# Altium PCB Pleiades_Frouf.PcbDoc (part 4 of 12) (continued)
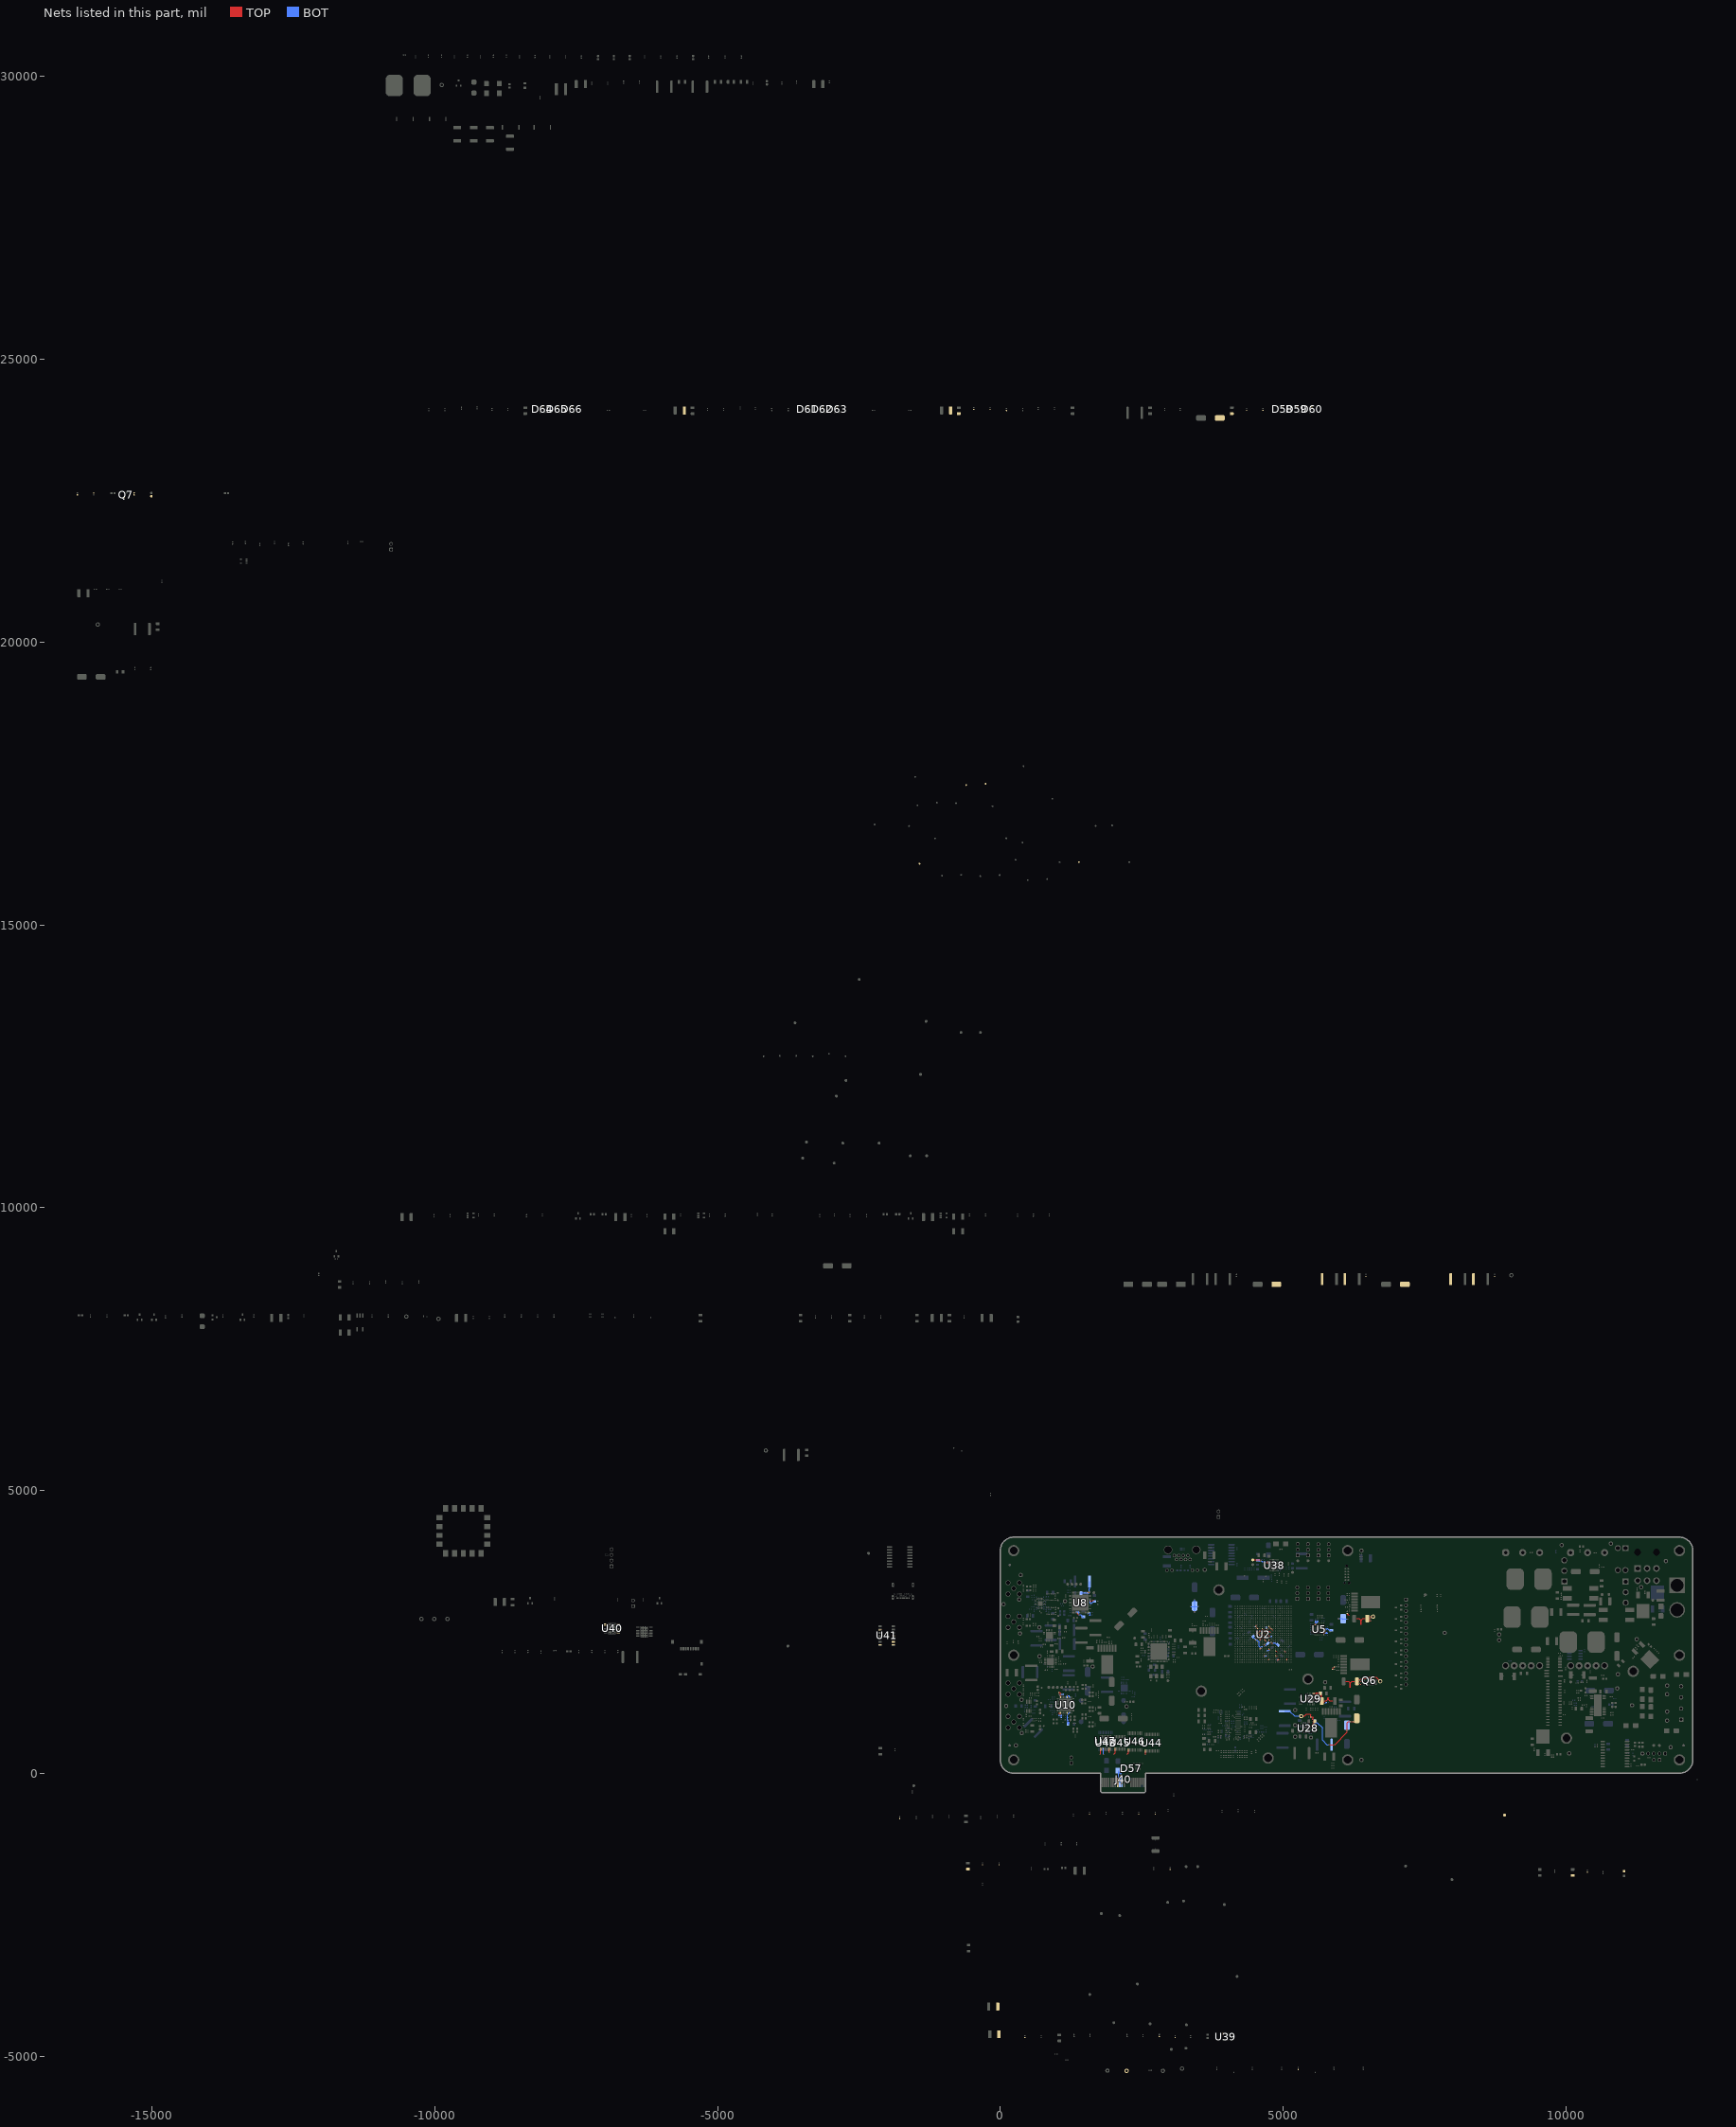
[diagram p14: the nets of this part, all layers, seen from the top]
## Part data (continued)
D14 D15 D16 D17: library part DIODE_SHOTTKEY, "Generic Shottkey Diode", Current=3A, Forward Voltage="500mV @ 3A", Mfr="Diodes Incorporated", Package / Case=SMB, Reverse Voltage=40V, Supplier Part Number 1=6160261, ComponentLink1Description=Digikey, ComponentLink1URL=https://www.digikey.ca/en/products/detail/diodes-incorporated/B340B-13-F/768869, ComponentLink2Description=Octopart, ComponentLink2URL=https://octopart.com/b340b-13-f-diodes+inc.-325817?r=sp, Diode Type=Schottky, Qualification=AEC-Q101, Supplier 1="Future Electronics"
D18 D20 D21 D23 D24 D41: library part LED_SML-311DTT86, "LED - 611nM ORANGE 2mA - 0603", Current=2mA, Mfg Part Number=SML-311DTT86, Package=0603, Power=44mW, Supplier Part Number 1=511-1303-1-ND, Temperature="-40°C to 85°C", Voltage=1.8V, CreatedBy="Jonathan Bouchard", HelpURL=http://media.digikey.com/pdf/Data%20Sheets/Rohm%20PDFs/SML-311%20Series.pdf, Mfg="ROHM Semiconductor", Supplier 1=Digikey
D35 D57: library part TVS_USB_TPD2E001DRLR, "TVS - USB TVS DIODE 5.5V - SOT-553", Manufacturer #1="Texas Instruments", Package=SOT-553, Supplier Part Number 1=296-21883-1-ND, Temperature="-40°C ~ 85°C (TA)", Voltage Rating="5.5V (Max)", Assembly Type=SMD, CreatedBy/Date="Jonathan Bouchard 2018-07-10", Cryo=UNKNOWN, GRAMS Lib Spec=2.8, HelpURL=http://www.ti.com/lit/ds/symlink/tpd2e001.pdf, Magnetic Material=YES, Part Number #1=TPD2E001DRLR, Polarized=YES, Supplier 1=Digi-Key, VerifiedBy="Arnaud Samson 16-07-18"
D37 DX3: library part TVS_PWR_SMBJ5.0CA, "TVS - BIDIR 5V 9.2V 600W - DO214AA", Current Rating="65.3 A (Ipp)", Manufacturer #1="Littelfuse Inc.", Package=DO214AA, Power Max="600W (Pppm)", Supplier Part Number 1=SMBJ5.0CALFCT-ND, Temperature="-65°C ~ 150°C (TJ)", Voltage Rating="5V Standoff", Assembly Type=SMD, CreatedBy/Date="Jonathan Bouchard - 2019-03-22", Cryo=UNKNOWN, GRAMS Lib Spec=2.8, HelpURL=http://www.littelfuse.com/~/media/electronics/datasheets/tvs_diodes/littelfuse_tvs_diode_smbj_datasheet.pdf.pdf, Magnetic Material=UNKNOWN, Part Number #1=SMBJ5.0CA, Polarized=NO, Supplier 1=Digi-Key, VerifiedBy="Nicolas V. (2019-05-06)"
D42 D43 DX2: library part DIODE_SHOTTKEY, "VS-15MQ040HM3/5AT", Current=1.5A, Forward Voltage="430mV @ 1.5A", Package / Case=SMA, Reverse Voltage=40V, ComponentLink1Description=Digikey, ComponentLink1URL=https://www.digikey.ca/en/products/detail/diodes-incorporated/B340B-13-F/768869, ComponentLink2Description=Octopart, ComponentLink2URL=https://octopart.com/b340b-13-f-diodes+inc.-325817?r=sp, Diode Type=Schottky, Qualification=AEC-Q101
D44 D56: library part TVS_DATA_TPD4E05U06, "TVS - TVS DIODE 5.5VWM 14VC - 10SON", Current Rating="2.5A (8/20µs)", Manufacturer #1="Texas Instruments", Package=10-USON, Part Number #1=TPD4E05U06DQAR, Power Max="40 W (peak)", Supplier Part Number 1=296-35765-1-ND, Temperature="-40°C ~ 125°C", Voltage Rating="6V (Breakdown)", Assembly Type=SMD, CreatedBy/Date="Olivier Bernard / 12/3/2018", Cryo=UNKNOWN, GRAMS Lib Spec=2.8, HelpURL=http://www.ti.com/lit/ds/symlink/tpd4e05u06.pdf, Magnetic Material=UNKNOWN, Polarized=YES, Supplier 1=Digi-Key, VerifiedBy="Caroline Paulin / 4 juillet 2018"
F1: library part FUSE_HOLDER_3568, "FUSE HOLDER BLADE", Current - Max=30A, Mfr=Keystone, Operating Temperature="-50C - 145C", Voltage Rating=500V, Created By="Pascal-Emmanuel Lachance"
F2: library part FUSE_0297010.WXNV, "FUSE AUTO 10A 32V BLADE MINI", Current - Hold=10A, Current - Max=40A, Mfr=Littelfuse, Operating Temperature="-40C - 125C", Package / Case="BLADE MINI AUTO", Resistance=7.42mR, Voltage Rating=32V, ComponentLink1Description=Datasheet, ComponentLink1URL=https://www.littelfuse.com/~/media/automotive/datasheets/fuses/passenger-car-and-commercial-vehicle/blade-fuses/littelfuse_mini_datasheet.pdf, ComponentLink2Description=Digikey, ComponentLink2URL=https://www.digikey.ca/en/products/detail/littelfuse-inc/0297010-WXNV/146591, ComponentLink3Description=Mouser, ComponentLink3URL=https://www.mouser.ca/ProductDetail/Littelfuse/0297010WXNV, ComponentLink4Description=Octopart, ComponentLink4URL=https://octopart.com/0297010.wxnv-littelfuse-566872, Created By="Pascal-Emmanuel Lachance", Current - Trip=10A, Rule="Component Clearance Constraint [Horizontal Clearance = -1mil    Vertical Clearance = 10mil]", Time to Trip=100ms
FB1 FB2 FB3 FB4 FBX1: library part FERRITE_BEAD, "600 Ohms @ 100 MHz 1 Signal Line Ferrite Bead 0603 (1608 Metric) 1A 200mOhm", Current Rating=1A, Impedance @ Freq="600Ω @ 100MHz", Manufacturer="Wurth Elektronik", Operating Temperature="-55C - 125C", Package / Case=0603, Rating=AEC-Q200, Resistance=200mR, Supplier Part Number 1=732-6703-1-ND, ComponentLink1Description=Digikey, ComponentLink1URL=https://www.digikey.ca/en/products/detail/w%C3%BCrth-elektronik/782633601/5168802, ComponentLink3Description=Octopart, ComponentLink3URL=https://octopart.com/782633601-wurth+elektronik-56466764, ComponentLink5Description=Datasheet, ComponentLink5URL=https://www.we-online.com/components/products/datasheet/782633601.pdf, Supplier 1=Digikey
FB5 FB6 FB7 FB8 FBX2: library part FERRITE_BEAD, "600 Ohms @ 100 MHz 1 Signal Line Ferrite Bead 0603 (1608 Metric) 1A 200mOhm", Current Rating=700mA, Impedance @ Freq="1K5 @ 100MHz", Manufacturer="Wurth Elektronik", Operating Temperature="-55C - 125C", Package / Case=0805, Rating=AEC-Q200, Resistance=350mR, ComponentLink1Description=Digikey, ComponentLink1URL=https://www.digikey.ca/en/products/detail/w%C3%BCrth-elektronik/782853152/5168812, ComponentLink3Description=Octopart, ComponentLink3URL=https://octopart.com/782853152-wurth+elektronik-56466774?r=sp, ComponentLink5Description=Datasheet, ComponentLink5URL=https://www.we-online.com/en/components/products/datasheet/782853152.pdf
H1: library part MECH_LAYER_MARKER
H3 H5 H7 H9 H11 H13 H15 H17: library part M3_STANDOFF, Supplier Part Number 1=RPC1573-ND, ComponentLink1Description=Digikey, ComponentLink1URL=https://www.digikey.ca/en/products/detail/essentra-components/mts-20/392825, ComponentLink2Description=Mfr, ComponentLink2URL=https://www.essentracomponents.com/en-ca/p/pcb-standoffs-hexagonal-metric-imperial-threaded-plastic/mts-20, Length=20.1MM, Supplier 1=Digikey, Thread Size=M3
HEAT1 HEAT3: library part HEATSINK_ATS-CPX025025015-166-C1-R0, "Heatsink Aluminium", Mfr="Advanced Thermal Solutions Inc.", Supplier Part Number 1=ATS35911-ND, Thermal Resistance="12.12°C/W @ 100LFM", ComponentLink1Description=Digikey, ComponentLink1URL=https://www.digikey.ca/en/products/detail/advanced-thermal-solutions-inc/ATS-CPX025025015-166-C1-R0/4753829, ComponentLink2Description=Mfr, ComponentLink2URL=https://www.qats.com/Search/HeatSink/2670.aspx, Fin Height=15mm, Hole Size=3.175mm, Hole-to-hole=42.42mm, Length=25mm, Material=Aluminium, Supplier 1=Digikey, Width=25mm
HEAT2: library part HEATSINK_ATS-H1-152-C2-R0, "Heatsink Aluminium", Mfr="Advanced Thermal Solutions Inc.", Supplier Part Number 1=ATS36354-ND, Thermal Resistance="3.32°C/W @ 100LFM", ComponentLink1Description=Digikey, ComponentLink1URL=https://www.digikey.com/en/products/detail/advanced-thermal-solutions-inc/ATS-H1-152-C2-R0/4624447, ComponentLink2Description=Mfr, ComponentLink2URL=https://www.qats.com/Online-PushPin/ATS-H1-152-C2-R0, Fin Height=35mm, Hole Size=3mm, Hole-to-hole=56,5685mm, Length=35, Material=Aluminium, Supplier 1=Digikey, Width=35
ISO1 ISO3: "Logic Output Optoisolator Push-Pull, Totem Pole 4000Vrms 1 Channel 25kV/µs CMTI 5-SO", Current - Forward=20mA, Mfr="Broadcom Limited", Operating Temperature="-40C - 125C", Package="SOIC6 - 5 Leads", Voltage - Forward=1.5V, Voltage - Isolation=4000Vrms, Voltage - Supply="3V - 5.5V", Common Mode Transient=25kV/us, ComponentLink1Description=Digikey, ComponentLink1URL=https://www.digikey.ca/en/products/detail/broadcom-limited/ACPL-M72T-000E/2347227, ComponentLink2Description=Datasheet, ComponentLink2URL=https://docs.broadcom.com/doc/AV02-2180EN, Number Of Channels=1, Output Topology=Push-Pull, Qualification=AEC-Q100
ISO2: library part ISO_ADUM3160BRWZ-RL, "ISO - DGTL ISO 2.5KV 2CH USB - 16SOIC", Manufacturer #1="Analog Devices", Package=16-SOIC, Supplier Part Number 1=ADUM3160BRWZ-RLCT-ND, Temperature="-40°C ~ 105°C", Voltage Rating=3~5.5V, Assembly Type=SMD, CreatedBy/Date="Tommy Rossignol 2018-11-16", Cryo=UNKNOWN, GRAMS Lib Spec=2.8, HelpURL=https://www.analog.com/media/en/technical-documentation/data-sheets/ADuM3160.pdf, Magnetic Material=UNKNOWN, Part Number #1=ADUM3160BRWZ-RL, Polarized=Yes, Supplier 1=Digi-Key, VerifiedBy="Caroline Paulin - 13 février 2019"
J1: library part TC2050-NL
J6 J7 J8 J9 J17 J18 J19 J20: library part HEADER_3
J10 J33: library part HEADER_4
J12 J22 J23 J25 J34: library part HEADER_2
J26: library part CON_MINIFIT_0039300060, "CON - Mini-Fit Through Hole, Right Angle 6 position", Current Rating=8A, Manufacturer #1=Molex, Package=TH, Supplier Part Number 1=WM21353-ND, Temperature="- 40°C to + 80°C", Voltage Rating=600V, Assembly Type=TH, CreatedBy/Date="Joel Lemay 2018-06-21", Cryo=UNKNOWN, GRAMS Lib Spec=2.8, HelpURL=https://www.molex.com/pdm_docs/sd/039300060_sd.pdf, Magnetic Material=Unknown, Part Number #1=0039300060, Polarized=Yes, Supplier 1=Digi-Key, VerifiedBy="Caroline Paulin - 10 sept 2018"
J27: library part XT90, Current (Continuous)=90A, Operating Temperature="-20C - 120C", Resistance="0.8 Ohm", Type=XT90
J28 J29 J30 J31: library part CONN_SMA_5-1814400-1, "5-1814400-1 / CONN -  SMA JACK R/A 50 OHM - TH", Mfg Part Number=5-1814400-1, Package=TH-5, Supplier Part Number 1=A97593-ND, Temperature="-55°C ~ 85°C", CreatedBy="Jonathan Bouchard", HelpURL=http://www.te.com/commerce/DocumentDelivery/DDEController?Action=srchrtrv&DocNm=1814400&DocType=Customer+Drawing&DocLang=English, Mfg="TE Connectivity AMP Connectors", Supplier 1=Digikey
J32: library part CONN_TERMINAL_OSTTC040162, "CONN -  TERMINAL BLOCK 4POS 5MM - TH", Mfg Part Number=OSTTC040162, Package=TH-4, Supplier Part Number 1=ED2602-ND, Temperature="-30°C ~ 105°C", CreatedBy="Jonathan Bouchard", HelpURL=http://www.on-shore.com/wp-content/uploads/2015/09/osttcxx0162.pdf, Mfg="On Shore Technology Inc.", Supplier 1=Digikey
J36: library part MICROSD_10, "10 (8 + 2) Position Card Connector Secure Digital - microSD™ Surface Mount, Right Angle Gold"
J37: library part HEADER_16
J38: library part CONN_UJ31-CH-G2-SMT-TR, "Type C, USB 3.1 Gen 2, 5 A, Right Angle, Surface Mount _SMT_, USB Receptacle", Current Rating=6.25A, Digikey Part Number=102-4483-1-ND, Mfr="CUI Devices", Operating Temperature="-25C - 80C", Voltage Rating=20V, ComponentLink1Description=Digikey, ComponentLink1URL=https://www.digikey.ca/en/products/detail/cui-devices/UJ31-CH-G2-SMT-TR/8024057, Connector Type=USB-C, Number of Contacts=24, Specifications="USB 3.2 Gen 2 (USB 3.1 Gen 2, Superspeed + (USB 3.1))", Supplier 1=Digi-Key, Supplier Part Number 1=102-4483-1-ND
J39: library part CONN_ETHERNET_RJHSE-5385, "CONN - MOD JACK RJ45 R/A ETHERNET - TH", Package=TH-12, Supplier Part Number 1=RJHSE-5385-ND, Temperature="-55°C ~ 85°C", CreatedBy="Jonathan Bouchard", HelpURL=https://www.amphenolcanada.com/ProductSearch/drawings/AC/RJHSE538X.pdf, Mfg=Amphenol, Mfg Part Number=RJHSE-5385, Supplier 1=Digikey
L1 L4 LX2: library part INDUCTOR, "Generic Inductor", Current Rating=5A, Inductance=10uH, Operating Temperature="-40C - 125C", Package / Case=Nonstandard, Q @ Freq=-, Ratings=AEC-Q200, Resistance=25.5mR, Supplier Part Number 1=732-10707-1-ND, Tolerance=20%, ComponentLink1Description=Digikey, ComponentLink1URL=https://www.digikey.ca/en/products/detail/w%C3%BCrth-elektronik/74439346100/6236306, ComponentLink2Description=Datasheet, ComponentLink2URL=https://www.we-online.com/components/products/datasheet/74439346100.pdf, ComponentLink3Description=Octopart, ComponentLink3URL=https://octopart.com/74439346100-wurth+elektronik-75811204?r=sp, Material="Metal Composite", Supplier 1=Digikey
L2 L3: library part IND_PLT10HH101150PNL, "IND - 2 Line Common Mode Choke Surface Mount 100 Ohms @ 10MHz 15A DCR 2.3 mOhm - SMD (12.9mm L x 6.6mm W x 9.4mm H)", Current Rating=15A, Manufacturer #1="Murata Electronics North America", Package="SMD (12.9mm L x 6.6mm W x 9.4mm H)", Supplier Part Number 1=490-12821-1-ND, Temperature="-55°C ~ 125°C", Voltage Rating=300VDC, Assembly Type=SMD, CreatedBy/Date="Tommy Rossginol - 2019/04/09", Cryo=UNKNOWN, GRAMS Lib Spec=2.8, HelpURL=https://www.murata.com/en-eu/products/productdata/8796754935838/QFLB9101.pdf, Magnetic Material=Yes, Part Number #1=PLT10HH101150PNL, Polarized=No, Supplier 1=Digi-Key, VerifiedBy="Caroline Paulin - 10-04-2019"
L5 L6 L7 L8 LX1: library part INDUCTOR, "Generic Inductor", Current Rating=200mA, Inductance=47nH, Operating Temperature="-40C - 125C", Package / Case=0402, Q @ Freq="8 @ 100MHz", Ratings=AEC-Q200, Resistance=2R, Supplier Part Number 1=673-ASCH10050547NJCP, Tolerance=5%, ComponentLink1Description=Digikey, ComponentLink1URL=https://www.digikey.ca/en/products/detail/pulse-electronics/asch0010050547njcp/16505828, ComponentLink2Description=Datasheet, ComponentLink2URL=https://productfinder.pulseelectronics.com/api/open/part-attachments/datasheet/ASCH0010050547NJCP, ComponentLink3Description=Octopart, ComponentLink3URL=https://octopart.com/asch0010050547njcp-pulse-128075783?r=sp, Material=Ceramic, Supplier 1=Mouser
L9 L10 L11 L12: library part INDUCTOR, "Generic Inductor", Current Rating=200mA, Inductance=47nH, Operating Temperature="-40C - 125C", Package / Case=0402, Q @ Freq="8 @ 100MHz", Ratings=AEC-Q200, Resistance=2R, Supplier Part Number 1=553-ASCH00100505R10JCPTR-ND, Tolerance=5%, ComponentLink1Description=Digikey, ComponentLink1URL=https://www.digikey.ca/en/products/detail/pulse-electronics/asch00100505r10jcp/16503422, ComponentLink2Description=Datasheet, ComponentLink2URL=https://productfinder.pulseelectronics.com/api/open/part-attachments/datasheet/ASCH0010050547NJCP, ComponentLink3Description=Octopart, ComponentLink3URL=https://octopart.com/asch00100505r10jcp-pulse-128075794?r=sp, Material=Ceramic, Supplier 1=Digikey
L13 L14: library part IND_DLM11SN900HY2L, "2 Line Common Mode Choke Surface Mount 90 Ohms @ 100MHz 100mA DCR 1.38Ohm", Current Rating=100mA, DC resistance=1.38Ohm, Operating Temperature="-40C - 85C", Package=0504, Supplier Part Number 1=490-11941-1-ND, Voltage Rating=5V, Impedance="90 Ohms @ 100MHz", Supplier 1=Digi-Key
M1: library part MOD_JTAG_410-357-B, "MOD - JTAG-SMT3-NC Programming Module For Xilinx FPGA - 18-SMT", Manufacturer #1=Digilent, Package="18-pad SMT", Supplier Part Number 1=1286-1196-ND, Temperature="-40°C ~ 85°C", Voltage Rating="VDD: 2.97V~3.63V, VJTAG/VUART: 1.65V~5.5V", Assembly Type=SMD, CreatedBy/Date="Tommy Rossignol 2018-11-23", Cryo=UNKNOWN, GRAMS Lib Spec=2.8, HelpURL=https://reference.digilentinc.com/_media/reference/programmers/jtag-smt3/jtag-smt3-nc_rm.pdf, Magnetic Material=Unknown, Note="Prior to reflow, the JTAG-SMT3-NC module must be dried at 125°C for 17 hours", Part Number #1=410-357-B, Polarized=Yes, Supplier 1=Digi-Key, VerifiedBy="Nicolas V. (2019-01-28)"
MT1 MT2 MT3 MT4 MT5 MT6 MT7 MT8: library part MOUNTING_HOLE
NT1 NT2 NT3 NT4 NT5 NT6 NT7 NT8 NT9 NT10 NT11 NT12 NT13 NT14 NT15 NT16 NT17 NT18 NT19 NT20 NT21 NT22 NT23 NT24 NT25 NT26 NT27 NT28 NT29 NT30 NT31 NT32 NT33 NT34 NT35 NT36 NT37 NT38 NT39 NT40 NT41 NT42 NT43 NT44 NT45 NT46 NT47 NT48 NT49 NT50 NT51 NT52 NT53: library part NET_TIE_SMALL
Q1 Q2: library part P_CHANNEL, "P-Channel 100 V 6.6A (Tc) 2.5W (Ta), 44W (Tc) Surface Mount TO-252AA", Current=6.6A, Mfr=onsemi, Operating Temperature="-55C - 150C", Package / Case=DPAK, ComponentLink1Description=Digikey, ComponentLink1URL=https://www.digikey.ca/en/products/detail/onsemi/FQD8P10TM-F085/2602606, ComponentLink2Description=Datasheet, ComponentLink2URL=https://www.onsemi.com/pdf/datasheet/fqd8p10tm_f085-d.pdf, Qualification=AEC-Q101, Rds ON="530mΩ @ 3.3A,10V", Vds=100V, Vgs="4V @ 250µA", Vgs (max)=30V
Q3 Q4 Q5: library part TRX_NMOS_SI2310-TP, "TRX - MOSFET N-CH 60V 3A - SOT-23", Current Rating=3A, Manufacturer #1="Micro Commercial Co", Package=SOT-23, Power Max=350mW, Supplier Part Number 1=SI2310-TPMSCT-ND, Temperature="-55°C ~ 150°C (TJ)", Voltage Rating="60V (Vds max), 2V (Vgs @ 250uA)", Assembly Type=SMD, CreatedBy/Date="Louis-Daniel Gaulin / 20-02-2020", Cryo=UNKNOWN, GRAMS Lib Spec=2.8c, HelpURL=https://www.mccsemi.com/pdf/Products/SI2310(SOT-23)-A.pdf, Magnetic Material=UNKNOWN, Part Number #1=SI2310-TP, Polarized=Yes, Supplier 1=Digi-Key, VerifiedBy="C.Paulin - 21/02/2020"
Q6 Q7: library part TRX_NMOS_SI2310-TP, Current Rating=3A, Manufacturer #1="Micro Commercial Co", Package=SOT-23, Part Number #1=SI2310-TP, Power Max=350mW, Supplier Part Number 1=BSH105,215, Temperature="-55°C ~ 150°C (TJ)", Voltage Rating="60V (Vds max), 2V (Vgs @ 250uA)", Assembly Type=SMD, CreatedBy/Date="Louis-Daniel Gaulin / 20-02-2020", Cryo=UNKNOWN, GRAMS Lib Spec=2.8c, HelpURL=https://www.mccsemi.com/pdf/Products/SI2310(SOT-23)-A.pdf, Magnetic Material=UNKNOWN, Polarized=Yes, Supplier 1=Avnet, VerifiedBy="C.Paulin - 21/02/2020"
R1 R2 R3 R4 R5 R6 R7 R8 R9 R10 R11 R12 R14 R33 R47 R48 R49 R50 R51 R53 R54 R55 R56 R57 R58 R62 R63 R64 R65 R67 R68 R69 R70 R71 R72 R73 R74 R75 R76 R77 R78 R79 R82 R83 R86 R87 R88 R89 R90 R111 R118 R129 R142 R149 R150 R151 R152 R154 R155 R157 R158 R159 R160 R161 R162 R163 R164 R167 R168 R171 R172 R173 R174 R175 R176 R179 R180 R181 R182 R183 R185 R186 R187 R188 R189 R190 R191 R192 R193 R194 R196 R197 R198 R199 R200 R201 R202 R203 R204 R207 R208 R209 R210 R212 R214 R215 R216 R218 R220 R221 R222 R223 R224 R226 R227 R228 R229 R230 R231 R232 R233 R234 R235 R237 R238 R242 R243 R244 R245 R246 R247 R249 R250 R251 R252 R253 R254 R255 R256 R257 r258 R259 R260 R261 R262 R263 R264 R265 R266 R267 R268 R270 R271 R272 R273 R274 R275 R276 R277 R278 R279 R280 R281 R283 R284 R285 R286 R287 R288 R289 R290 R295 R303 R308 R309 R310 R311 R312 R313 R314 R315 R316 R318 R319 R320 R321 R322 R323 R324 R325 R326 R327 R329 R330 R334 R335 R336 R337 R338 R339 R341 R342 R343 R344 R345 R346 R347 R348 RX2 RX3 RX4 RX5 RX6 RX7 RX8 RX9 RX10 RX11 RX12 RX13 RX14 RX25: library part RESISTOR, Package / Case=0402, Power=1/16W, Tolerance=1%, Automotive=AEC-Q200, ComponentLink1Description=Digikey
R13 R66 R305 RX16: library part RESISTOR, Package / Case=0603, Power=1/8W, Tolerance=0.1%, Automotive=AEC-Q200, ComponentLink1Description=Digikey
R15 R16 R17 R18 R19 R20 R21 R22 R23 R24 R25 R26 R27 R28 R29 R30 R31 R32 R34 R35 R36 R37 R38 R39 R40 R41 R42 R43 R44 R45 R46 R52 R59 R61 R93 R98 R99 R104 R107 R110 R112 R113 R114 R119 R120 R121 R166 R248 R291 R292 R293 R294 R296 R297 R298 R299 R300 R301 R302 R304 R332 R333 R340 RX18 RX19 RX20 RX21 RX23 RX24: library part RESISTOR, Package / Case=0402, Power=1/8W, Tolerance=1%, Automotive=AEC-Q200, ComponentLink1Description=Digikey
R60 R96 R97 R105 R106 R306 R328 RX15: library part RESISTOR, "1M 0603 1% 1/16W Resistor", Package / Case=0603, Power=1/8W, Tolerance=0.1%, Automotive=AEC-Q200, ComponentLink1Description=Digikey
R80 R81 R84 R165 R195 R205 R206 R213 R217 R225 R236 R317 R331 RX1: library part RESISTOR, "1M 0402 1% 1/16W Resistor", Package / Case=0402, Power=1/16W, Tolerance=1%, Automotive=AEC-Q200, ComponentLink1Description=Digikey
R85 R240 RX28: library part RESISTOR, "CSRN2512FK30L0", Operating Temperature="-55C - 155C", Package / Case=2512, Power=2W, Tolerance=1%, Automotive=AEC-Q200, ComponentLink1Description=Digikey, ComponentLink1URL=https://www.digikey.ca/fr/products/detail/stackpole-electronics-inc/CSRN2512FK30L0/1646107, Part #=CSRN2512FK30L0
R91 R92 R115 R116 R122 R123 R125 R126 R127 R128 R130 R131 R132 R133 R134 R135 R136 R137 R138 R139 R140 R141 R143 R144 R145 R146 R147 R148 R282 R307 RX17 RX22: library part RESISTOR, Package / Case=0603, Power=1/8W, Tolerance=1%, Automotive=AEC-Q200, ComponentLink1Description=Digikey
R94 R95 R100 R101 R102 R103 R108 R109 R169 R170 R177 R178: library part RESISTOR, Package / Case=0402, Power=1/16W, Tolerance=0.1%, Automotive=AEC-Q200, ComponentLink1Description=Digikey
R117 R124: library part RESISTOR, "RMCF0402FT60K4", Package / Case=0402, Power=1/16W, Tolerance=1%, Automotive=AEC-Q200, ComponentLink1Description=Digikey
R153 R156 R219 RX27: library part RESISTOR, "CSRN2512FKR150", Operating Temperature="-55C - 155C", Package / Case=2512, Power=2W, Tolerance=1%, Automotive=AEC-Q200, ComponentLink1Description=Digikey, ComponentLink1URL=https://www.digikey.ca/fr/products/detail/stackpole-electronics-inc/CSRN2512FKR150/1788109, Part #=CSRN2512FKR150
R184 R211 RX26: library part RESISTOR, Operating Temperature="-55C - 155C", Package / Case=2512, Power=2W, Tolerance=1%, Automotive=AEC-Q200, ComponentLink1Description=Digikey, ComponentLink1URL=https://www.digikey.ca/fr/products/detail/stackpole-electronics-inc/CSRN2512FKR500/1742768, Part #=CSRN2512FKR500
R239 R241 R269 RX29: library part RESISTOR, "CSRN2512FK10L0", Operating Temperature="-55C - 155C", Package / Case=2512, Power=2W, Tolerance=1%, Automotive=AEC-Q200, ComponentLink1Description=Digikey, ComponentLink1URL=https://www.digikey.ca/fr/products/detail/stackpole-electronics-inc/CSRN2512FK10L0/1646104, Part #=CSRN2512FK10L0
SW1: library part SPDT_SWITCH, "1103M2S3CQE2 / Slide Switch SPDT Through Hole", Current Rating=6A, Mfr=C&K, Operating Temperature="-30C - 65C", Supplier Part Number 1=1103M2S3CQE2, Voltage Rating - AC=120V, Voltage Rating - DC=28V, ComponentLink1Description=Digikey, ComponentLink1URL=https://www.digikey.ca/en/products/detail/c-k/1103M2S3CQE2/483721, ComponentLink2Description=Datasheet, ComponentLink2URL=https://www.ckswitches.com/media/1429/1000.pdf, ComponentLink3Description=Octopart, ComponentLink3URL=https://octopart.com/1103m2s3cqe2-c%26k+components-2492778?r=sp, Cycles=40000, Supplier 1="Arrow Electronics", Switch Function=On-Off-On
SW2 SW3 SW5: library part SWI_TACT_B3SN-3012P, "SWI - TACT SPST-NO 0.05A 24V - 4-SMD", Current=50mA, Mfg Part Number=B3SN-3012P, Package=4-SMD, Supplier Part Number 1=SW261CT-ND, Temperature="-25°C ~ 70°C", Voltage=24V, CreatedBy="Jonathan Bouchard", HelpURL=http://www.omron.com/ecb/products/pdf/en-b3sn.pdf, Mfg=Omron, Supplier 1=Digikey
SW4: library part SPDT_SWITCH, "Slide Switch SPDT Through Hole", Current Rating=6A, Mfr=C&K, Operating Temperature="-30C - 65C", Supplier Part Number 1=1103M2S3CQE2, Voltage Rating - AC=120V, Voltage Rating - DC=28V, ComponentLink1Description=Digikey, ComponentLink1URL=https://www.digikey.ca/en/products/detail/c-k/1103M2S3CQE2/483721, ComponentLink2Description=Datasheet, ComponentLink2URL=https://www.ckswitches.com/media/1429/1000.pdf, ComponentLink3Description=Octopart, ComponentLink3URL=https://octopart.com/1103m2s3cqe2-c%26k+components-2492778?r=sp, Cycles=40000, Supplier 1="Arrow Electronics", Switch Function=On-Off-On
T1: library part TRANSFO_H1102NLT, "TRANSFO - ETHERNET 10/100B-TX - SMD-16", Package=SMD-16, Supplier Part Number 1=553-1532-1-ND, Temperature="-40°C to 85°C", CreatedBy="Jonathan Bouchard", HelpURL=http://media.digikey.com/pdf/Data%20Sheets/Pulse%20PDFs/10_100BASE-T%20Single%20Port%20SMD%20Magnetics_Rev2008.pdf, Mfg="Pulse Eng.", Mfg Part Number=H1102NLT, Supplier 1=Digikey
TP1 TP2 TP3 TP4 TP5 TP6 TP7 TP36 TP40 TP41 TP44 TP45 TP46 TP47 TP58 TP60 TP61 TP64 TP68 TP69 TP72 TP79 TP80 TP81 TP82 TP83 TP86 TP87 TP98 TP99 TP100 TP101 TP102 TP104 TP106 TP108 TP109 TP110 TP111 TP112 TP113 TP114 TP115 TP118 TP121 TP122 TP123 TP131 TP132 TP137 TP173 TP174 TP175 TP176: library part TESTPOINT, "Test Point", ClassName=Testpoint
TP8 TP9 TP10 TP11 TP12 TP13 TP14 TP15 TP16 TP17 TP18 TP21 TP34 TP35 TP37 TP38 TP39 TP42 TP43 TP49 TP51 TP52 TP53 TP54 TP73 TP74 TP75 TP76 TP85 TP88 TP89 TP93 TP103 TP105 TP119 TP125 TP126 TP127 TP130 TP134 TP138 TP139 TP140 TP141 TP142 TP143 TP144 TP145 TP169 TP170 TP177 TP178 TP179 TP180 TP181 TP184 TP185 TP186 TP187 TP188 TP189 TPX2: library part TESTPOINT_PAD, "Test Point"
TP19 TP20 TP22 TP23 TP24 TP25 TP26 TP27 TP55 TP56 TP57 TP59 TP62 TP63 TP65 TP66 TP67 TP70 TP71 TP90 TP91 TP92 TP94 TP95 TP96 TP97 TP107 TP133 TP146 TP147 TP148 TP150 TP151 TP152 TP153 TP154 TP155 TP156 TP157 TP158 TP159 TP164 TP166 TP167 TP168 TPX3: library part TESTPOINT_PAD_SMALL, "Test Point"
TP28 TP29 TP48 TP50 TP77 TP78 TP128 TP129 TP135 TP136 TP161 TP162 TP163 TP165 TP171 TP172 TPX4: library part TESTPOINT_PAD_TINY, "Test Point"
TPX1: library part TESTPOINT_HOLE, "Test Point"
U1: library part IC_MT41K512M16HA-125, "DRAM 8G 1.35V 512Mx16 800 MHz DDR3 0C-90C", Maximum Clock Frequency=800MHz, Mfr="Alliance Memory", Operating Temperature="0C - 95C", Package / Case=FBGA-96, Supplier Part Number 1=913-41K512M16HA125A, Supply Current (Max)=88mA, Supply Voltage (Max)=1.45V, Supply Voltage (Min)=1.283V, ComponentLink1Description=Digikey, ComponentLink1URL=https://www.digikey.ca/en/products/detail/alliance-memory-inc/MT41K512M16HA-125:A/10821776, ComponentLink2Description=Datasheet, ComponentLink2URL=https://media.digikey.com/pdf/Data%20Sheets/Micron%20Technology%20Inc%20PDFs/MT41K_2G4,1G8,512M16_8Gb_DDR3L.pdf, Data Bus Width="16 bits", Digikey #=1450-MT41K512M16HA-125:A-ND, Memory Organization="512M x 16", Memory Size=8Gb, Supplier 1=Mouser, Type="SDRAM - DDR3L"
U2: library part FPGA_XC6SLX100-3FGG676C, "FPGA - XILINX SPARTAN 6 480 I/O - BGA-676", Package=BGA-676, Supplier Part Number 1=122-1760-ND, Temperature="0°C ~ 85°C (TJ)", Voltage="1.14 V ~ 1.26 V", CreatedBy="Jonathan Bouchard", HelpURL=https://www.xilinx.com/support/documentation/data_sheets/ds162.pdf, Mfg=Xilinx, Mfg Part Number=XC6SLX100-3FGG676C, Supplier 1=Digikey
U3: "WATCHDOG CIRCUIT / IC SUPERVISOR 1 CHANNEL SOT23-5", Mfr=ST, Supplier Part Number 1=511-STWD100PYW83F, ComponentLink1Description=Digikey, ComponentLink1URL=https://www.digikey.ca/en/products/detail/stmicroelectronics/STWD100PYW83F/3711383, ComponentLink2Description=Datasheet, ComponentLink2URL=https://www.st.com/content/ccc/resource/technical/document/datasheet/06/6a/b3/83/9a/c7/4f/22/CD00176077.pdf/files/CD00176077.pdf/jcr:content/translations/en.CD00176077.pdf, Qualification=AEC-Q100, Reset Timeout=1.6s, Supplier 1=Mouser
U4: library part TIM_CDCE62005RGZT, "TIM - CLK SYNTH JITTER CLEANER 3:5 - QFN-48", Package=QFN-48, Supplier Part Number 1=296-23947-1-ND, Temperature="-40°C ~ 85°C", Voltage="3 V ~ 3.6 V", CreatedBy="Jonathan Bouchard", HelpURL=http://www.ti.com/lit/ds/symlink/cdce62005.pdf, Mfg="Texas Instruments", Mfg Part Number=CDCE62005RGZT, Supplier 1=Digikey
U5: "IC PROM SRL/PAR 1.8V 32M 48CSBGA", Mfr=Xilinx, Operating Temperature="-40C - 85C", Voltage - Suply="1.65V - 2V", ComponentLink1Description=Digikey, ComponentLink1URL=https://www.digikey.ca/en/products/detail/amd/XCF32PFSG48C/966638, ComponentLink2Description=Octopart, ComponentLink2URL=https://octopart.com/xcf32pfsg48c-xilinx-429660, Memory Size=32Mb, Part#=XCF32PFSG48C
U6: library part IRE-24/5-Q12P-C, "Isolated DC/DC Converters - Through Hole 9V-36VIN 24VOUT 120W", Current - Output=10A, Isolation Voltage=2.828kV, Mfr=Murata, Operating Temperature="-40C - 85C", Output Power=120W, Supplier Part Number 1=811-IRE-12/10-Q12P-C-ND, Switching Frequency=240kHz, Voltage - Input (Max)=36V, Voltage - Input (Min)=9V, Voltage - Output=12V, ComponentLink1Description=Mouser, ComponentLink1URL=https://www.mouser.ca/ProductDetail/Murata-Power-Solutions/IRE-12-10-Q12NF-C?qs=xZ%2FP%252Ba9zWqYdIxrb6V0e3g%3D%3D, ComponentLink2Description=Murata, ComponentLink2URL=https://www.murata.com/en-us/products/productdetail?partno=IRE-12%2F10-Q12P-C, ComponentLink3Description=Datasheet, ComponentLink3URL=https://www.murata.com/products/productdata/8807029112862/ire-q12.pdf?1655388012000, ComponentLink4Description=Octopart, ComponentLink4URL=https://octopart.com/ire-12%2F10-q12nf-c-murata+power+solutions-107236518?r=sp, ComponentLink5Description=Digikey, ComponentLink5URL=https://www.digikey.ca/en/products/detail/murata-power-solutions-inc/IRE-12-10-Q12P-C/11503740, Supplier 1=Digikey
U7 U36: Supplier Part Number 1=863-NCV2931ADT5.0RKG, ComponentLink1Description=Digikey, ComponentLink1URL=https://www.digikey.com/en/products/detail/onsemi/NCV2931ADT5-0RKG/1961138, Supplier 1=Mouser
U8: library part ADC_ADS62P48IRGCT, "ADC - 14 BIT 210MSPS SUAL - VQFN-64", Package=VQFN-64, Supplier Part Number 1=296-24611-1-ND, Temperature="-40°C ~ 85°C", Voltage="3.15 V ~ 3.6 V / 1.7 V ~ 1.9 V", CreatedBy="Jonathan Bouchard", HelpURL=http://www.ti.com/lit/ds/symlink/ads62p48.pdf, Mfg="Texas Instruments", Mfg Part Number=ADS62P48IRGCT, Precision="14 Bit", Supplier 1=Digikey
U9: library part OPAMP_ADA4927-2YCPZ-R2, "OPAMP - CFA 2.3GHZ - QFN-24", Current=65mA, Package=QFN-24, Supplier Part Number 1=ADA4927-2YCPZ-R2CT-ND, Temperature="-40°C ~ 105°C", Voltage="4.5 V ~ 11 V, ±2.25 V ~ 5.5 V", CreatedBy="Jonathan Bouchard", HelpURL=http://www.analog.com/media/en/technical-documentation/data-sheets/ADA4927-1_4927-2.pdf, Mfg="Analog Devices", Mfg Part Number=ADA4927-2YCPZ-R2, Supplier 1=Digikey